# EAGLE board ControlModule-pan2 (EAGLE 7.2.0), part 8 of 9
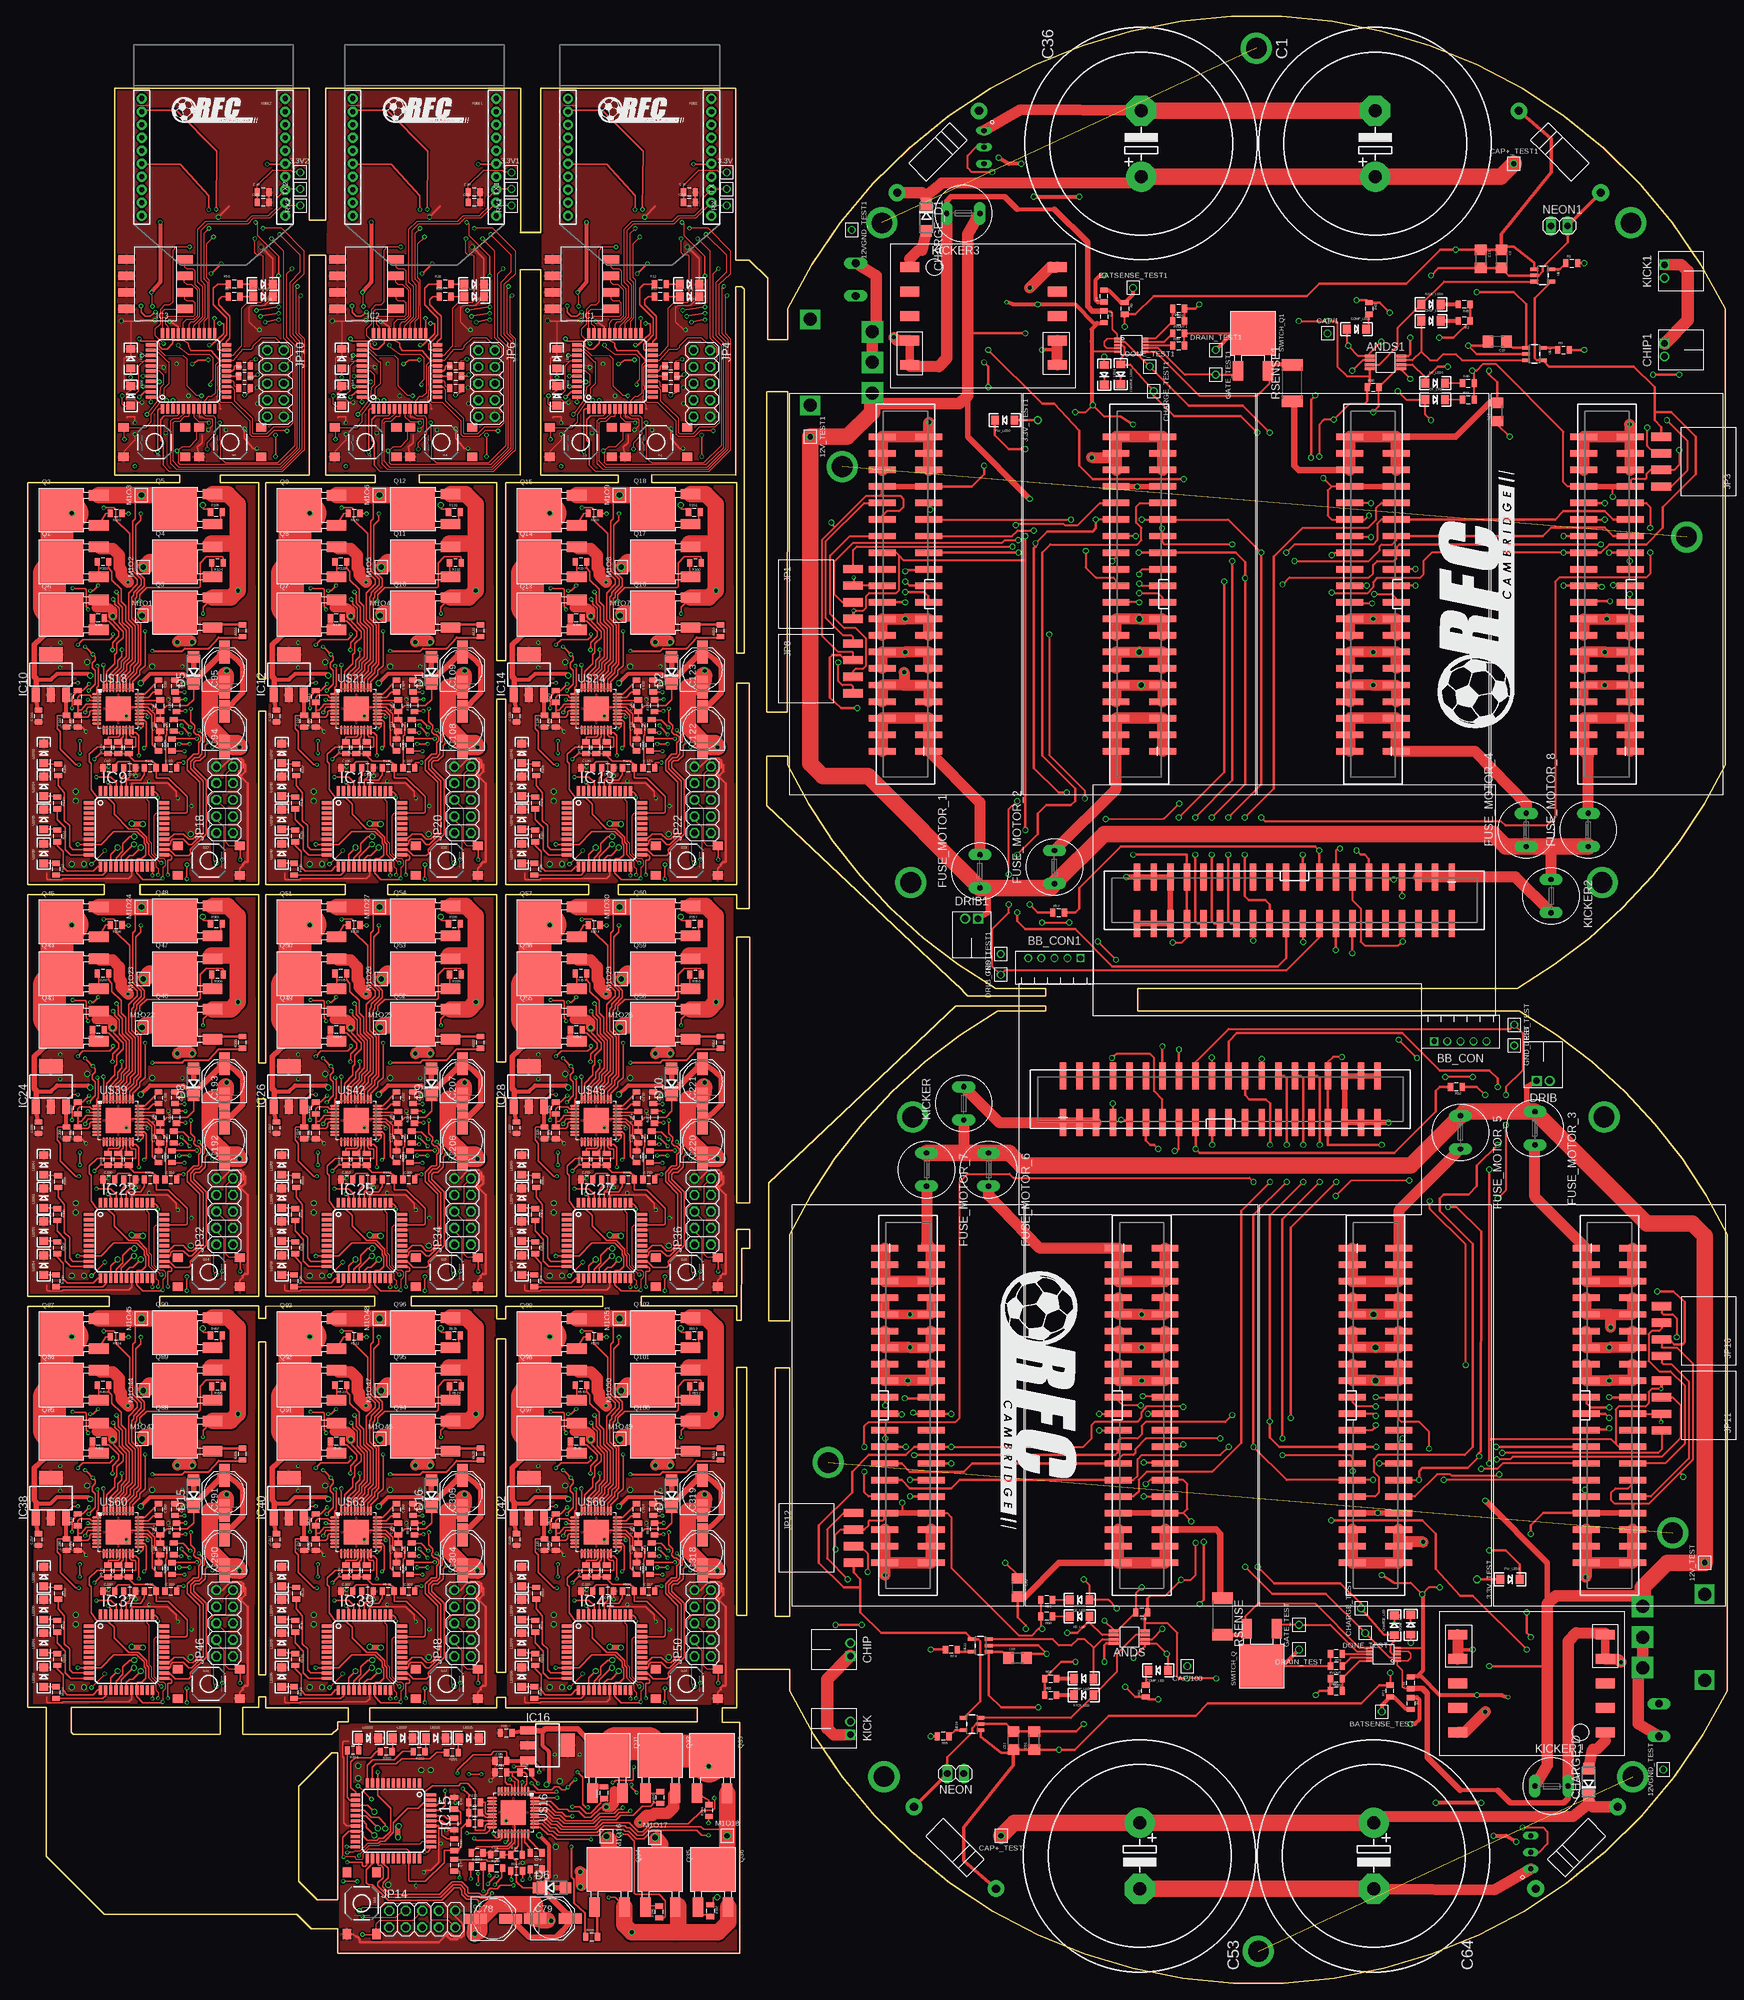
[diagram p0: board, top side]
## Tracks (layer width: path | path; a pad name or v marks a point on that pad's centre or on a via) (continued)
N$303  (via drill 0.3) (continued)
  Top 0.254: 22.86,129.23 R302.1 22.38,128.73 v23.53,128.73 | U$39.21 17.54,130.15 17.73,130.15 17.73,129.77 17.35,129.38 v17.03,129.38
  Bottom 0.254: v17.03,129.38 17.19,129.38 17.99,128.75 23.54,128.75 v23.54,128.73 v23.53,128.73
N$304
  Top 0.254: R305.1 2.57,123.93 LED61.A
N$305
  Top 0.254: LED62.A 4.35,118.99 R306.1
N$306
  Top 0.254: LED63.A 4.35,113.91 R307.1
N$307
  Top 0.254: R308.1 2.45,108.69 LED64.A
N$308  (via drill 0.3)
  Top 0.254: v24.83,128.48 23.59,129.71 v23.59,129.85
  Bottom 0.254: R293.2 24.07,123.19 23.86,123.19 23.23,123.83 23.23,124.62 23.38,124.78 24.5,124.78 25.45,125.73 25.45,126.53 25.61,126.69 25.61,127.16 24.83,127.94 v24.83,128.48 | v23.59,129.85 20.44,129.86 JP31.25
N$309
  Top 0.254: IC23.40 14.33,121.77 14.81,122.24 14.81,123.25 C189.2
N$310
  Top 0.254: U$39.30 17.91,134.65 C188.1
N$311
  Top 0.254: U$39.28 19.92,133.65 C196.2
N$312
  Top 0.254: U$39.25 18.33,132.15 19.04,131.45 19.04,129.35 19.05,129.35 19.05,129.33 19.1,129.29 19.1,126.9 C187.2
N$313  (via drill 0.3)
  Top 0.254: U$39.20 16.11,128.75 16.24,128.75 16.56,128.75 17.03,128.27 v17.03,125.26 | v24.02,125.89 22.7,125.89 R303.1
  Bottom 0.254: v17.03,125.26 18.46,125.89 v24.02,125.89
N$314
  Top 0.254: U$39.18 15.11,127.7 R314.2
N$315
  Top 0.254: U$39.17 14.61,128.15 13.87,127.41 R309.2
N$316
  Top 0.254: 14.11,128.52 U$39.16 14.11,128.33 13.87,128.09 12.3,128.09 | 12.3,128.09 R315.2 | 12.3,128.09
N$317  (via drill 0.3)
  Top 0.254: U$39.22 17.2,130.65 17.83,130.65 18.15,130.34 18.15,126.69 v17.83,126.37 | v24.18,132.08 22.7,132.08 R316.1
  Bottom 0.254: v17.83,126.37 23.54,126.37 24.02,126.69 24.02,128.25 24.18,128.41 24.18,129.51 24.27,129.6 24.27,130.28 24.5,130.5 24.5,131.77 v24.18,132.08
N$318
  Bottom 0.254: R317.2 23.38,116.53 22.75,117.16 22.75,117.85 22.27,118.32 22.27,118.88 22.75,119.36 22.75,120.38 22,121.13 20.68,121.13 | 20.69,121.13 20.68,121.13 | JP31.31 20.37,122.32 20.37,121.45 20.68,121.13
N$319
  Top 0.254: 7.67,132.24 8.21,132.24 8.99,133.15 U$39.4 | 7.67,133.04 7.61,133.15 R319.1 7.67,134.15 8,134.48 9.48,134.48 9.81,134.15 9.95,134.15 U$39.2 | 10.43,132.15 U$39.6 9.7,132.15 9.5,131.94 9.5,131.48 9.17,131.16 7.9,131.16 R318.2
  Top 0.305: R319.1 7.67,133.04 7.67,132.24 R318.2
N$320
  Top 0.254: U$39.29 18.47,134.15 19.26,134.94 20,134.94 C188.2
N$321  (via drill 0.3)
  Top 0.254: v59.74,127 v61.33,127
  Bottom 0.254: R322.2 60.58,121.13 59.9,121.13 59.58,121.45 59.58,123.35 59.26,123.67 59.26,124.94 59.58,125.26 60.85,125.26 61.33,125.73 v61.33,127 | JP33.27 58.94,127.48 v59.74,127
N$322
  Bottom 0.254: JP33.29 56.88,124.86 56.88,123.83 57.2,123.51 58.79,123.51 59.17,123.13 59.17,121.22 59.74,120.65 59.74,119.57 59.98,119.33 60.58,119.33 R323.2
N$323
  Top 0.305: 46.69,144.49 Q49.GATE
  Top 0.813: R324.2 46.42,144.49 46.69,144.49
N$324
  Top 0.254: Q50.GATE 47.39,154.73 R325.2
N$325
  Top 0.254: Q51.GATE 48.5,162.39 R326.2
N$326
  Top 0.305: 64.46,144.78 Q52.GATE
  Top 0.406: R327.2 64.85,145.3 Q52.GATE
N$327
  Top 0.254: R328.2 64.71,152.78 Q53.GATE
N$328
  Top 0.254: Q54.GATE 64.87,160.76 66.09,160.76 66.09,162.59 R329.2
N$329  (via drill 0.38)
  Top 0.254: R324.1 48.49,146.06 48.72,145.83 48.91,145.83 50.5,144.24 50.5,143.55 49.53,142.57 49.53,141.49 v49.49,141.45 | U$42.38 49.12,137.72 50.31,138.91 50.31,139.8 50.94,140.43 v50.94,141.45
  Bottom 0.254: v49.49,141.45 v50.94,141.45
N$330  (via drill 0.38, 0.6)
  Top 0.254: U$42.34 51.12,137.12 52.21,138.21 52.21,138.97 52.97,139.74 52.97,145.07 51.96,146.09 51.96,150.18 53.31,151.53 53.31,152.24 52.13,153.42 52.13,159.26 50.04,161.35 50.04,162.98 49.72,163.3 48.21,163.3 v48.16,163.24 | v63.36,163.66 63.46,163.66 63.46,163.05 64.53,163.05 R329.1
  Bottom 0.254: v63.36,163.66 62.89,164.12 61.04,164.12 58.67,166.49 51.4,166.49 v48.16,163.24
N$331  (via drill 0.38)
  Top 0.254: U$42.37 49.62,137.52 50.82,138.72 50.82,139.61 51.64,140.43 51.64,144.5 50.53,145.65 50.53,147.86 49.86,148.5 49.86,148.94 v49.61,149.2 | R328.1 66.51,155.54 66.31,155.74 63.9,155.74 62.94,154.78 62.94,151.17 62.75,150.97 54.75,150.97 53.71,149.94 v53.71,148.91
  Bottom 0.254: v49.61,149.2 53.43,149.2 v53.71,148.91
N$332  (via drill 0.3, 0.38)
  Top 0.254: U$42.40 48.12,139.06 v48.09,139.11
  Top 0.305: v55.61,141.29 60.21,141.29 60.59,141.67 64.25,141.67 65.77,143.35 68.89,143.35 R327.1
  Bottom 0.254: v55.61,141.29 54.66,141.29 54.34,140.97 54.34,139.54 53.86,139.07 48.12,139.07 v48.09,139.11
N$333
  Top 0.254: U$42.35 50.62,137.25 51.7,138.34 51.7,139.16 52.53,139.99 52.53,144.88 51.51,145.89 51.51,148.18 50.82,148.88 50.82,150.78 49.42,152.18 49.42,153.45 48.91,153.96 48.91,154.93 R325.1
N$334  (via drill 0.38)
  Top 0.254: U$42.32 52.12,136.85 53.23,137.96 53.23,138.53 53.86,139.23 53.86,145.45 52.97,146.34 52.97,149.28 53.26,149.57 53.26,150.13 54.39,151.26 54.39,152.37 53.02,153.75 53.02,154.74 53.1,154.82 53.1,160.56 53.86,161.33 v53.86,162.34 | v51.96,162.34 51.02,162.34 R326.1
  Bottom 0.254: v53.86,162.34 v51.96,162.34
N$335  (via drill 0.3)
  Top 0.254: 59.37,129.23 R330.1 58.89,128.73 v60.05,128.73 | U$42.21 54.05,130.15 54.24,130.15 54.24,129.77 53.86,129.38 v53.55,129.38
  Bottom 0.254: v53.55,129.38 53.71,129.38 54.5,128.75 60.06,128.75 60.06,128.73 v60.05,128.73
N$336
  Top 0.254: R333.1 39.08,123.93 LED65.A
N$337
  Top 0.254: LED66.A 40.87,118.99 R334.1
N$338
  Top 0.254: LED67.A 40.87,113.91 R335.1
N$339
  Top 0.254: R336.1 38.96,108.69 LED68.A
N$340  (via drill 0.3)
  Top 0.254: v61.34,128.48 60.1,129.71 v60.1,129.85
  Bottom 0.254: R321.2 60.58,123.19 60.37,123.19 59.74,123.83 59.74,124.62 59.9,124.78 61.01,124.78 61.96,125.73 61.96,126.53 62.12,126.69 62.12,127.16 61.34,127.94 v61.34,128.48 | v60.1,129.85 56.96,129.86 JP33.25
N$341
  Top 0.254: IC25.40 50.84,121.77 51.32,122.24 51.32,123.25 C203.2
N$342
  Top 0.254: U$42.30 54.42,134.65 C202.1
N$343
  Top 0.254: U$42.28 56.44,133.65 C210.2
N$344
  Top 0.254: U$42.25 54.84,132.15 55.55,131.45 55.55,129.35 55.57,129.35 55.57,129.33 55.61,129.29 55.61,126.9 C201.2
N$345  (via drill 0.3)
  Top 0.254: U$42.20 52.62,128.75 52.75,128.75 53.07,128.75 53.55,128.27 v53.55,125.26 | v60.53,125.89 59.21,125.89 R331.1
  Bottom 0.254: v53.55,125.26 54.98,125.89 v60.53,125.89
N$346
  Top 0.254: U$42.18 51.62,127.7 R342.2
N$347
  Top 0.254: U$42.17 51.12,128.15 50.38,127.41 R337.2
N$348
  Top 0.254: 50.62,128.52 U$42.16 50.62,128.33 50.39,128.09 48.81,128.09 | 48.81,128.09 R343.2 | 48.81,128.09
N$349  (via drill 0.3)
  Top 0.254: U$42.22 53.71,130.65 54.34,130.65 54.66,130.34 54.66,126.69 v54.34,126.37 | v60.69,132.08 59.21,132.08 R344.1
  Bottom 0.254: v54.34,126.37 60.06,126.37 60.53,126.69 60.53,128.25 60.69,128.41 60.69,129.51 60.79,129.6 60.79,130.28 61.01,130.5 61.01,131.77 v60.69,132.08
N$350
  Bottom 0.254: R345.2 59.9,116.53 59.26,117.16 59.26,117.85 58.79,118.32 58.79,118.88 59.26,119.36 59.26,120.38 58.51,121.13 57.2,121.13 | 57.2,121.13 | JP33.31 56.88,122.32 56.88,121.45 57.2,121.13
N$351
  Top 0.254: 44.18,132.24 44.72,132.24 45.5,133.15 U$42.4 | 44.18,133.04 44.12,133.15 R347.1 44.18,134.15 44.51,134.48 46,134.48 46.33,134.15 46.47,134.15 U$42.2 | 46.95,132.15 U$42.6 46.22,132.15 46.01,131.94 46.01,131.48 45.69,131.16 44.41,131.16 R346.2
  Top 0.305: R347.1 44.18,133.04 44.18,132.24 R346.2
N$352
  Top 0.254: U$42.29 54.98,134.15 55.77,134.94 56.51,134.94 C202.2
N$353  (via drill 0.3)
  Top 0.254: v96.57,127 v98.16,127
  Bottom 0.254: R350.2 97.41,121.13 96.73,121.13 96.41,121.45 96.41,123.35 96.09,123.67 96.09,124.94 96.41,125.26 97.68,125.26 98.16,125.73 v98.16,127 | JP35.27 95.77,127.48 v96.57,127
N$354
  Bottom 0.254: JP35.29 93.71,124.86 93.71,123.83 94.03,123.51 95.62,123.51 96,123.13 96,121.22 96.57,120.65 96.57,119.57 96.81,119.33 97.41,119.33 R351.2
N$355
  Top 0.305: 83.52,144.49 Q55.GATE
  Top 0.813: R352.2 83.25,144.49 83.52,144.49
N$356
  Top 0.254: Q56.GATE 84.22,154.73 R353.2
N$357
  Top 0.254: Q57.GATE 85.33,162.39 R354.2
N$358
  Top 0.305: 101.29,144.78 Q58.GATE
  Top 0.406: R355.2 101.68,145.3 Q58.GATE
N$359
  Top 0.254: R356.2 101.54,152.78 Q59.GATE
N$360
  Top 0.254: Q60.GATE 101.7,160.76 102.92,160.76 102.92,162.59 R357.2
N$361  (via drill 0.38)
  Top 0.254: R352.1 85.32,146.06 85.55,145.83 85.74,145.83 87.33,144.24 87.33,143.55 86.36,142.57 86.36,141.49 v86.32,141.45 | U$45.38 85.95,137.72 87.14,138.91 87.14,139.8 87.77,140.43 v87.77,141.45
  Bottom 0.254: v86.32,141.45 v87.77,141.45
N$362  (via drill 0.38, 0.6)
  Top 0.254: U$45.34 87.95,137.12 89.04,138.21 89.04,138.97 89.8,139.74 89.8,145.07 88.79,146.09 88.79,150.18 90.14,151.53 90.14,152.24 88.96,153.42 88.96,159.26 86.87,161.35 86.87,162.98 86.55,163.3 85.04,163.3 v84.99,163.24 | v100.19,163.66 100.29,163.66 100.29,163.05 101.36,163.05 R357.1
  Bottom 0.254: v100.19,163.66 99.72,164.12 97.87,164.12 95.5,166.49 88.23,166.49 v84.99,163.24
N$363  (via drill 0.38)
  Top 0.254: U$45.37 86.45,137.52 87.65,138.72 87.65,139.61 88.47,140.43 88.47,144.5 87.36,145.65 87.36,147.86 86.69,148.5 86.69,148.94 v86.44,149.2 | R356.1 103.34,155.54 103.14,155.74 100.73,155.74 99.77,154.78 99.77,151.17 99.58,150.97 91.58,150.97 90.54,149.94 v90.54,148.91
  Bottom 0.254: v86.44,149.2 90.26,149.2 v90.54,148.91
N$364  (via drill 0.3, 0.38)
  Top 0.254: U$45.40 84.95,139.06 v84.92,139.11
  Top 0.305: v92.44,141.29 97.04,141.29 97.42,141.67 101.08,141.67 102.6,143.35 105.72,143.35 R355.1
  Bottom 0.254: v92.44,141.29 91.49,141.29 91.17,140.97 91.17,139.54 90.69,139.07 84.95,139.07 v84.92,139.11
N$365
  Top 0.254: U$45.35 87.45,137.25 88.53,138.34 88.53,139.16 89.36,139.99 89.36,144.88 88.34,145.89 88.34,148.18 87.65,148.88 87.65,150.78 86.25,152.18 86.25,153.45 85.74,153.96 85.74,154.93 R353.1
N$366  (via drill 0.38)
  Top 0.254: U$45.32 88.95,136.85 90.06,137.96 90.06,138.53 90.69,139.23 90.69,145.45 89.8,146.34 89.8,149.28 90.09,149.57 90.09,150.13 91.22,151.26 91.22,152.37 89.85,153.75 89.85,154.74 89.93,154.82 89.93,160.56 90.69,161.33 v90.69,162.34 | v88.79,162.34 87.85,162.34 R354.1
  Bottom 0.254: v90.69,162.34 v88.79,162.34
N$367  (via drill 0.3)
  Top 0.254: 96.2,129.23 R358.1 95.72,128.73 v96.88,128.73 | U$45.21 90.88,130.15 91.07,130.15 91.07,129.77 90.69,129.38 v90.38,129.38
  Bottom 0.254: v90.38,129.38 90.54,129.38 91.33,128.75 96.89,128.75 96.89,128.73 v96.88,128.73
N$368
  Top 0.254: R361.1 75.91,123.93 LED69.A
N$369
  Top 0.254: LED70.A 77.7,118.99 R362.1
N$370
  Top 0.254: LED71.A 77.7,113.91 R363.1
N$371
  Top 0.254: R364.1 75.79,108.69 LED72.A
N$372  (via drill 0.3)
  Top 0.254: v98.17,128.48 96.93,129.71 v96.93,129.85
  Bottom 0.254: R349.2 97.41,123.19 97.2,123.19 96.57,123.83 96.57,124.62 96.73,124.78 97.84,124.78 98.79,125.73 98.79,126.53 98.95,126.69 98.95,127.16 98.17,127.94 v98.17,128.48 | v96.93,129.85 93.79,129.86 JP35.25
N$373
  Top 0.254: IC27.40 87.67,121.77 88.15,122.24 88.15,123.25 C217.2
N$374
  Top 0.254: U$45.30 91.25,134.65 C216.1
N$375
  Top 0.254: U$45.28 93.27,133.65 C224.2
N$376
  Top 0.254: U$45.25 91.67,132.15 92.38,131.45 92.38,129.35 92.4,129.35 92.4,129.33 92.44,129.29 92.44,126.9 C215.2
N$377  (via drill 0.3)
  Top 0.254: U$45.20 89.45,128.75 89.58,128.75 89.9,128.75 90.38,128.27 v90.38,125.26 | v97.36,125.89 96.04,125.89 R359.1
  Bottom 0.254: v90.38,125.26 91.81,125.89 v97.36,125.89
N$378
  Top 0.254: U$45.18 88.45,127.7 R370.2
N$379
  Top 0.254: U$45.17 87.95,128.15 87.21,127.41 R365.2
N$380
  Top 0.254: 87.45,128.52 U$45.16 87.45,128.33 87.22,128.09 85.64,128.09 | 85.64,128.09 R371.2 | 85.64,128.09
N$381  (via drill 0.3)
  Top 0.254: U$45.22 90.54,130.65 91.17,130.65 91.49,130.34 91.49,126.69 v91.17,126.37 | v97.52,132.08 96.04,132.08 R372.1
  Bottom 0.254: v91.17,126.37 96.89,126.37 97.36,126.69 97.36,128.25 97.52,128.41 97.52,129.51 97.62,129.6 97.62,130.28 97.84,130.5 97.84,131.77 v97.52,132.08
N$382
  Bottom 0.254: R373.2 96.73,116.53 96.09,117.16 96.09,117.85 95.62,118.32 95.62,118.88 96.09,119.36 96.09,120.38 95.34,121.13 94.03,121.13 | 94.03,121.13 | JP35.31 93.71,122.32 93.71,121.45 94.03,121.13
N$383
  Top 0.254: 81.01,132.24 81.55,132.24 82.33,133.15 U$45.4 | 81.01,133.04 80.95,133.15 R375.1 81.01,134.15 81.34,134.48 82.83,134.48 83.16,134.15 83.3,134.15 U$45.2 | 83.78,132.15 U$45.6 83.05,132.15 82.84,131.94 82.84,131.48 82.52,131.16 81.24,131.16 R374.2
  Top 0.305: R375.1 81.01,133.04 81.01,132.24 R374.2
N$384
  Top 0.254: U$45.29 91.81,134.15 92.6,134.94 93.34,134.94 C216.2
N$513  (via drill 0.3)
  Top 0.254: v23.23,63.82 v24.81,63.82
  Bottom 0.254: R490.2 24.07,57.95 23.38,57.95 23.07,58.26 23.07,60.17 22.75,60.49 22.75,61.76 23.07,62.07 24.34,62.07 24.81,62.55 v24.81,63.82 | JP45.27 22.43,64.3 v23.23,63.82
N$514
  Bottom 0.254: JP45.29 20.37,61.67 20.37,60.65 20.69,60.33 22.27,60.33 22.65,59.94 22.65,58.04 23.23,57.47 23.23,56.39 23.47,56.15 24.07,56.15 R491.2
N$515
  Top 0.305: 10.18,81.3 Q85.GATE
  Top 0.813: R492.2 9.91,81.3 10.18,81.3
N$516
  Top 0.254: Q86.GATE 10.88,91.55 R493.2
N$517
  Top 0.254: Q87.GATE 11.99,99.2 R494.2
N$518
  Top 0.305: 27.95,81.6 Q88.GATE
  Top 0.406: R495.2 28.34,82.11 Q88.GATE
N$519
  Top 0.254: R496.2 28.2,89.6 Q89.GATE
N$520
  Top 0.254: Q90.GATE 28.36,97.57 29.58,97.57 29.58,99.41 R497.2
N$521  (via drill 0.38)
  Top 0.254: R492.1 11.98,82.88 12.21,82.65 12.4,82.65 13.99,81.06 13.99,80.36 13.02,79.39 13.02,78.3 v12.98,78.27 | U$60.38 12.61,74.54 13.8,75.73 13.8,76.62 14.43,77.25 v14.43,78.27
  Bottom 0.254: v12.98,78.27 v14.43,78.27
N$522  (via drill 0.38, 0.6)
  Top 0.254: U$60.34 14.61,73.94 15.7,75.03 15.7,75.79 16.46,76.55 16.46,81.89 15.45,82.9 15.45,87 16.8,88.35 16.8,89.05 15.61,90.24 15.61,96.08 13.52,98.17 13.52,99.8 13.21,100.11 11.7,100.11 v11.65,100.06 | v26.84,100.48 26.95,100.48 26.95,99.87 28.01,99.87 R497.1
  Bottom 0.254: v26.84,100.48 26.38,100.94 24.53,100.94 22.16,103.3 14.89,103.3 v11.65,100.06
N$523  (via drill 0.38)
  Top 0.254: U$60.37 13.11,74.34 14.3,75.54 14.3,76.43 15.13,77.25 15.13,81.32 14.01,82.46 14.02,84.68 13.35,85.32 13.35,85.76 v13.1,86.01 | R496.1 30,92.35 29.8,92.55 27.38,92.55 26.43,91.6 26.43,87.98 26.24,87.79 18.24,87.79 17.2,86.75 v17.2,85.73
  Bottom 0.254: v13.1,86.01 16.92,86.01 v17.2,85.73
N$524  (via drill 0.3, 0.38)
  Top 0.254: U$60.40 11.61,75.88 v11.58,75.93
  Top 0.305: v19.1,78.11 23.7,78.11 24.08,78.49 27.73,78.49 29.26,80.17 32.38,80.17 R495.1
  Bottom 0.254: v19.1,78.11 18.15,78.11 17.83,77.79 17.83,76.36 17.35,75.89 11.6,75.89 v11.58,75.93
N$525
  Top 0.254: U$60.35 14.11,74.07 15.19,75.16 15.19,75.98 16.02,76.81 16.02,81.7 15,82.71 15,85 14.3,85.7 14.3,87.6 12.91,89 12.91,90.27 12.4,90.78 12.4,91.74 R493.1
N$526  (via drill 0.38)
  Top 0.254: U$60.32 15.61,73.67 16.72,74.77 16.72,75.35 17.35,76.04 17.35,82.27 16.46,83.16 16.46,86.1 16.75,86.39 16.75,86.94 17.88,88.07 17.88,89.19 16.5,90.56 16.5,91.55 16.59,91.64 16.59,97.38 17.35,98.14 v17.35,99.16 | v15.45,99.16 14.5,99.16 R494.1
  Bottom 0.254: v17.35,99.16 v15.45,99.16
N$527  (via drill 0.3)
  Top 0.254: 22.86,66.04 R498.1 22.38,65.55 v23.53,65.55 | U$60.21 17.54,66.97 17.73,66.96 17.73,66.58 17.35,66.2 v17.03,66.2
  Bottom 0.254: v17.03,66.2 17.19,66.2 17.99,65.57 23.54,65.57 v23.54,65.55 v23.53,65.55
N$528
  Top 0.254: R501.1 2.57,60.75 LED89.A
N$529
  Top 0.254: LED90.A 4.35,55.81 R502.1
N$530
  Top 0.254: LED91.A 4.35,50.73 R503.1
N$531
  Top 0.254: R504.1 2.45,45.51 LED92.A
N$532  (via drill 0.3)
  Top 0.254: v24.83,65.29 23.59,66.53 v23.59,66.67
  Bottom 0.254: R489.2 24.07,60.01 23.86,60.01 23.23,60.65 23.23,61.44 23.38,61.6 24.5,61.6 25.45,62.55 25.45,63.34 25.61,63.5 25.61,63.98 24.83,64.76 v24.83,65.29 | v23.59,66.67 20.44,66.68 JP45.25
N$533
  Top 0.254: IC37.40 14.33,58.59 14.81,59.06 14.81,60.06 C287.2
N$534
  Top 0.254: U$60.30 17.91,71.47 C286.1
N$535
  Top 0.254: U$60.28 19.92,70.47 C294.2
N$536
  Top 0.254: U$60.25 18.33,68.97 19.04,68.26 19.04,66.17 19.05,66.16 19.05,66.15 19.1,66.11 19.1,63.71 C285.2
N$537  (via drill 0.3)
  Top 0.254: U$60.20 16.11,65.57 16.24,65.57 16.56,65.57 17.03,65.09 v17.03,62.07 | v24.02,62.71 22.7,62.71 R499.1
  Bottom 0.254: v17.03,62.07 18.46,62.71 v24.02,62.71
N$538
  Top 0.254: U$60.18 15.11,64.52 R510.2
N$539
  Top 0.254: U$60.17 14.61,64.96 13.87,64.22 R505.2
N$540
  Top 0.254: 14.11,65.34 U$60.16 14.11,65.14 13.87,64.91 12.3,64.91 | 12.3,64.91 R511.2 | 12.3,64.91
N$541  (via drill 0.3)
  Top 0.254: U$60.22 17.2,67.47 17.83,67.47 18.15,67.15 18.15,63.5 v17.83,63.19 | v24.18,68.9 22.7,68.9 R512.1
  Bottom 0.254: v17.83,63.19 23.54,63.19 24.02,63.5 24.02,65.07 24.18,65.23 24.18,66.32 24.27,66.42 24.27,67.09 24.5,67.31 24.5,68.58 v24.18,68.9
N$542
  Bottom 0.254: R513.2 23.38,53.34 22.75,53.98 22.75,54.66 22.27,55.14 22.27,55.7 22.75,56.17 22.75,57.19 22,57.95 20.68,57.95 | 20.69,57.95 20.68,57.95 | JP45.31 20.37,59.13 20.37,58.26 20.68,57.95
N$543
  Top 0.254: 7.67,69.06 8.21,69.06 8.99,69.97 U$60.4 | 7.67,69.85 7.61,69.97 R515.1 7.67,70.96 8,71.29 9.48,71.29 9.81,70.96 9.95,70.96 U$60.2 | 10.43,68.97 U$60.6 9.7,68.97 9.5,68.76 9.5,68.3 9.17,67.98 7.9,67.98 R514.2
  Top 0.305: R515.1 7.67,69.85 7.67,69.06 R514.2
N$544
  Top 0.254: U$60.29 18.47,70.97 19.26,71.76 20,71.76 C286.2
N$545  (via drill 0.3)
  Top 0.254: v59.74,63.82 v61.33,63.82
  Bottom 0.254: R518.2 60.58,57.95 59.9,57.95 59.58,58.26 59.58,60.17 59.26,60.49 59.26,61.76 59.58,62.07 60.85,62.07 61.33,62.55 v61.33,63.82 | JP47.27 58.94,64.3 v59.74,63.82
N$546
  Bottom 0.254: JP47.29 56.88,61.67 56.88,60.65 57.2,60.33 58.79,60.33 59.17,59.94 59.17,58.04 59.74,57.47 59.74,56.39 59.98,56.15 60.58,56.15 R519.2
N$547
  Top 0.305: 46.69,81.3 Q91.GATE
  Top 0.813: R520.2 46.42,81.3 46.69,81.3
N$548
  Top 0.254: Q92.GATE 47.39,91.55 R521.2
N$549
  Top 0.254: Q93.GATE 48.5,99.2 R522.2
N$550
  Top 0.305: 64.46,81.6 Q94.GATE
  Top 0.406: R523.2 64.85,82.11 Q94.GATE
N$551
  Top 0.254: R524.2 64.71,89.6 Q95.GATE
N$552
  Top 0.254: Q96.GATE 64.87,97.57 66.09,97.57 66.09,99.41 R525.2
N$553  (via drill 0.38)
  Top 0.254: R520.1 48.49,82.88 48.72,82.65 48.91,82.65 50.5,81.06 50.5,80.36 49.53,79.39 49.53,78.3 v49.49,78.27 | U$63.38 49.12,74.54 50.31,75.73 50.31,76.62 50.94,77.25 v50.94,78.27
  Bottom 0.254: v49.49,78.27 v50.94,78.27
N$554  (via drill 0.38, 0.6)
  Top 0.254: U$63.34 51.12,73.94 52.21,75.03 52.21,75.79 52.97,76.55 52.97,81.89 51.96,82.9 51.96,87 53.31,88.35 53.31,89.05 52.13,90.24 52.13,96.08 50.04,98.17 50.04,99.8 49.72,100.11 48.21,100.11 v48.16,100.06 | v63.36,100.48 63.46,100.48 63.46,99.87 64.53,99.87 R525.1
  Bottom 0.254: v63.36,100.48 62.89,100.94 61.04,100.94 58.67,103.3 51.4,103.3 v48.16,100.06
N$555  (via drill 0.38)
  Top 0.254: U$63.37 49.62,74.34 50.82,75.54 50.82,76.43 51.64,77.25 51.64,81.32 50.53,82.46 50.53,84.68 49.86,85.32 49.86,85.76 v49.61,86.01 | R524.1 66.51,92.35 66.31,92.55 63.9,92.55 62.94,91.6 62.94,87.98 62.75,87.79 54.75,87.79 53.71,86.75 v53.71,85.73
  Bottom 0.254: v49.61,86.01 53.43,86.01 v53.71,85.73
N$556  (via drill 0.3, 0.38)
  Top 0.254: U$63.40 48.12,75.88 v48.09,75.93
  Top 0.305: v55.61,78.11 60.21,78.11 60.59,78.49 64.25,78.49 65.77,80.17 68.89,80.17 R523.1
  Bottom 0.254: v55.61,78.11 54.66,78.11 54.34,77.79 54.34,76.36 53.86,75.89 48.12,75.89 v48.09,75.93
N$557
  Top 0.254: U$63.35 50.62,74.07 51.7,75.16 51.7,75.98 52.53,76.81 52.53,81.7 51.51,82.71 51.51,85 50.82,85.7 50.82,87.6 49.42,89 49.42,90.27 48.91,90.78 48.91,91.74 R521.1
N$558  (via drill 0.38)
  Top 0.254: U$63.32 52.12,73.67 53.23,74.77 53.23,75.35 53.86,76.04 53.86,82.27 52.97,83.16 52.97,86.1 53.26,86.39 53.26,86.94 54.39,88.07 54.39,89.19 53.02,90.56 53.02,91.55 53.1,91.64 53.1,97.38 53.86,98.14 v53.86,99.16 | v51.96,99.16 51.02,99.16 R522.1
  Bottom 0.254: v53.86,99.16 v51.96,99.16
N$559  (via drill 0.3)
  Top 0.254: 59.37,66.04 R526.1 58.89,65.55 v60.05,65.55 | U$63.21 54.05,66.97 54.24,66.96 54.24,66.58 53.86,66.2 v53.55,66.2
  Bottom 0.254: v53.55,66.2 53.71,66.2 54.5,65.57 60.06,65.57 60.06,65.55 v60.05,65.55
N$560
  Top 0.254: R529.1 39.08,60.75 LED93.A
N$561
  Top 0.254: LED94.A 40.87,55.81 R530.1
N$562
  Top 0.254: LED95.A 40.87,50.73 R531.1
N$563
  Top 0.254: R532.1 38.96,45.51 LED96.A
N$564  (via drill 0.3)
  Top 0.254: v61.34,65.29 60.1,66.53 v60.1,66.67
  Bottom 0.254: R517.2 60.58,60.01 60.37,60.01 59.74,60.65 59.74,61.44 59.9,61.6 61.01,61.6 61.96,62.55 61.96,63.34 62.12,63.5 62.12,63.98 61.34,64.76 v61.34,65.29 | v60.1,66.67 56.96,66.68 JP47.25
N$565
  Top 0.254: IC39.40 50.84,58.59 51.32,59.06 51.32,60.06 C301.2
N$566
  Top 0.254: U$63.30 54.42,71.47 C300.1
N$567
  Top 0.254: U$63.28 56.44,70.47 C308.2
N$568
  Top 0.254: U$63.25 54.84,68.97 55.55,68.26 55.55,66.17 55.57,66.16 55.57,66.15 55.61,66.11 55.61,63.71 C299.2
N$569  (via drill 0.3)
  Top 0.254: U$63.20 52.62,65.57 52.75,65.57 53.07,65.57 53.55,65.09 v53.55,62.07 | v60.53,62.71 59.21,62.71 R527.1
  Bottom 0.254: v53.55,62.07 54.98,62.71 v60.53,62.71
N$570
  Top 0.254: U$63.18 51.62,64.52 R538.2
N$571
  Top 0.254: U$63.17 51.12,64.96 50.38,64.22 R533.2
N$572
  Top 0.254: 50.62,65.34 U$63.16 50.62,65.14 50.39,64.91 48.81,64.91 | 48.81,64.91 R539.2 | 48.81,64.91
N$573  (via drill 0.3)
  Top 0.254: U$63.22 53.71,67.47 54.34,67.47 54.66,67.15 54.66,63.5 v54.34,63.19 | v60.69,68.9 59.21,68.9 R540.1
  Bottom 0.254: v54.34,63.19 60.06,63.19 60.53,63.5 60.53,65.07 60.69,65.23 60.69,66.32 60.79,66.42 60.79,67.09 61.01,67.31 61.01,68.58 v60.69,68.9
N$574
  Bottom 0.254: R541.2 59.9,53.34 59.26,53.98 59.26,54.66 58.79,55.14 58.79,55.7 59.26,56.17 59.26,57.19 58.51,57.95 57.2,57.95 | 57.2,57.95 | JP47.31 56.88,59.13 56.88,58.26 57.2,57.95
N$575
  Top 0.254: 44.18,69.06 44.72,69.06 45.5,69.97 U$63.4 | 44.18,69.85 44.12,69.97 R543.1 44.18,70.96 44.51,71.29 46,71.29 46.33,70.96 46.47,70.96 U$63.2 | 46.95,68.97 U$63.6 46.22,68.97 46.01,68.76 46.01,68.3 45.69,67.98 44.41,67.98 R542.2
  Top 0.305: R543.1 44.18,69.85 44.18,69.06 R542.2
N$576
  Top 0.254: U$63.29 54.98,70.97 55.77,71.76 56.51,71.76 C300.2
N$577  (via drill 0.3)
  Top 0.254: v96.57,63.82 v98.16,63.82
  Bottom 0.254: R546.2 97.41,57.95 96.73,57.95 96.41,58.26 96.41,60.17 96.09,60.49 96.09,61.76 96.41,62.07 97.68,62.07 98.16,62.55 v98.16,63.82 | JP49.27 95.77,64.3 v96.57,63.82
N$578
  Bottom 0.254: JP49.29 93.71,61.67 93.71,60.65 94.03,60.33 95.62,60.33 96,59.94 96,58.04 96.57,57.47 96.57,56.39 96.81,56.15 97.41,56.15 R547.2
N$579
  Top 0.305: 83.52,81.3 Q97.GATE
  Top 0.813: R548.2 83.25,81.3 83.52,81.3
N$580
  Top 0.254: Q98.GATE 84.22,91.55 R549.2
N$581
  Top 0.254: Q99.GATE 85.33,99.2 R550.2
N$582
  Top 0.305: 101.29,81.6 Q100.GATE
  Top 0.406: R551.2 101.68,82.11 Q100.GATE
N$583
  Top 0.254: R552.2 101.54,89.6 Q101.GATE
N$584
  Top 0.254: Q102.GATE 101.7,97.57 102.92,97.57 102.92,99.41 R553.2
N$585  (via drill 0.38)
  Top 0.254: R548.1 85.32,82.88 85.55,82.65 85.74,82.65 87.33,81.06 87.33,80.36 86.36,79.39 86.36,78.3 v86.32,78.27 | U$66.38 85.95,74.54 87.14,75.73 87.14,76.62 87.77,77.25 v87.77,78.27
  Bottom 0.254: v86.32,78.27 v87.77,78.27
N$586  (via drill 0.38, 0.6)
  Top 0.254: U$66.34 87.95,73.94 89.04,75.03 89.04,75.79 89.8,76.55 89.8,81.89 88.79,82.9 88.79,87 90.14,88.35 90.14,89.05 88.96,90.24 88.96,96.08 86.87,98.17 86.87,99.8 86.55,100.11 85.04,100.11 v84.99,100.06 | v100.19,100.48 100.29,100.48 100.29,99.87 101.36,99.87 R553.1
  Bottom 0.254: v100.19,100.48 99.72,100.94 97.87,100.94 95.5,103.3 88.23,103.3 v84.99,100.06
N$587  (via drill 0.38)
  Top 0.254: U$66.37 86.45,74.34 87.65,75.54 87.65,76.43 88.47,77.25 88.47,81.32 87.36,82.46 87.36,84.68 86.69,85.32 86.69,85.76 v86.44,86.01 | R552.1 103.34,92.35 103.14,92.55 100.73,92.55 99.77,91.6 99.77,87.98 99.58,87.79 91.58,87.79 90.54,86.75 v90.54,85.73
  Bottom 0.254: v86.44,86.01 90.26,86.01 v90.54,85.73
N$588  (via drill 0.3, 0.38)
  Top 0.254: U$66.40 84.95,75.88 v84.92,75.93
  Top 0.305: v92.44,78.11 97.04,78.11 97.42,78.49 101.08,78.49 102.6,80.17 105.72,80.17 R551.1
  Bottom 0.254: v92.44,78.11 91.49,78.11 91.17,77.79 91.17,76.36 90.69,75.89 84.95,75.89 v84.92,75.93
N$589
  Top 0.254: U$66.35 87.45,74.07 88.53,75.16 88.53,75.98 89.36,76.81 89.36,81.7 88.34,82.71 88.34,85 87.65,85.7 87.65,87.6 86.25,89 86.25,90.27 85.74,90.78 85.74,91.74 R549.1
N$590  (via drill 0.38)
  Top 0.254: U$66.32 88.95,73.67 90.06,74.77 90.06,75.35 90.69,76.04 90.69,82.27 89.8,83.16 89.8,86.1 90.09,86.39 90.09,86.94 91.22,88.07 91.22,89.19 89.85,90.56 89.85,91.55 89.93,91.64 89.93,97.38 90.69,98.14 v90.69,99.16 | v88.79,99.16 87.85,99.16 R550.1
  Bottom 0.254: v90.69,99.16 v88.79,99.16
N$591  (via drill 0.3)
  Top 0.254: 96.2,66.04 R554.1 95.72,65.55 v96.88,65.55 | U$66.21 90.88,66.97 91.07,66.96 91.07,66.58 90.69,66.2 v90.38,66.2
  Bottom 0.254: v90.38,66.2 90.54,66.2 91.33,65.57 96.89,65.57 96.89,65.55 v96.88,65.55
N$592
  Top 0.254: R557.1 75.91,60.75 LED97.A
N$593
  Top 0.254: LED98.A 77.7,55.81 R558.1
N$594
  Top 0.254: LED99.A 77.7,50.73 R559.1
N$595
  Top 0.254: R560.1 75.79,45.51 LED100.A